# Altium PCB openservo_tessellated.PcbDoc (part 10 of 13)
Units mm, origin at the board's own origin, x right, y up, seen from the top; angles counter-clockwise.
Board outline 225 x 202.5 mm, 2 copper layers (Top Layer, Bottom Layer); 1250 components, 19 nets, 5300 pads, 1100 vias.
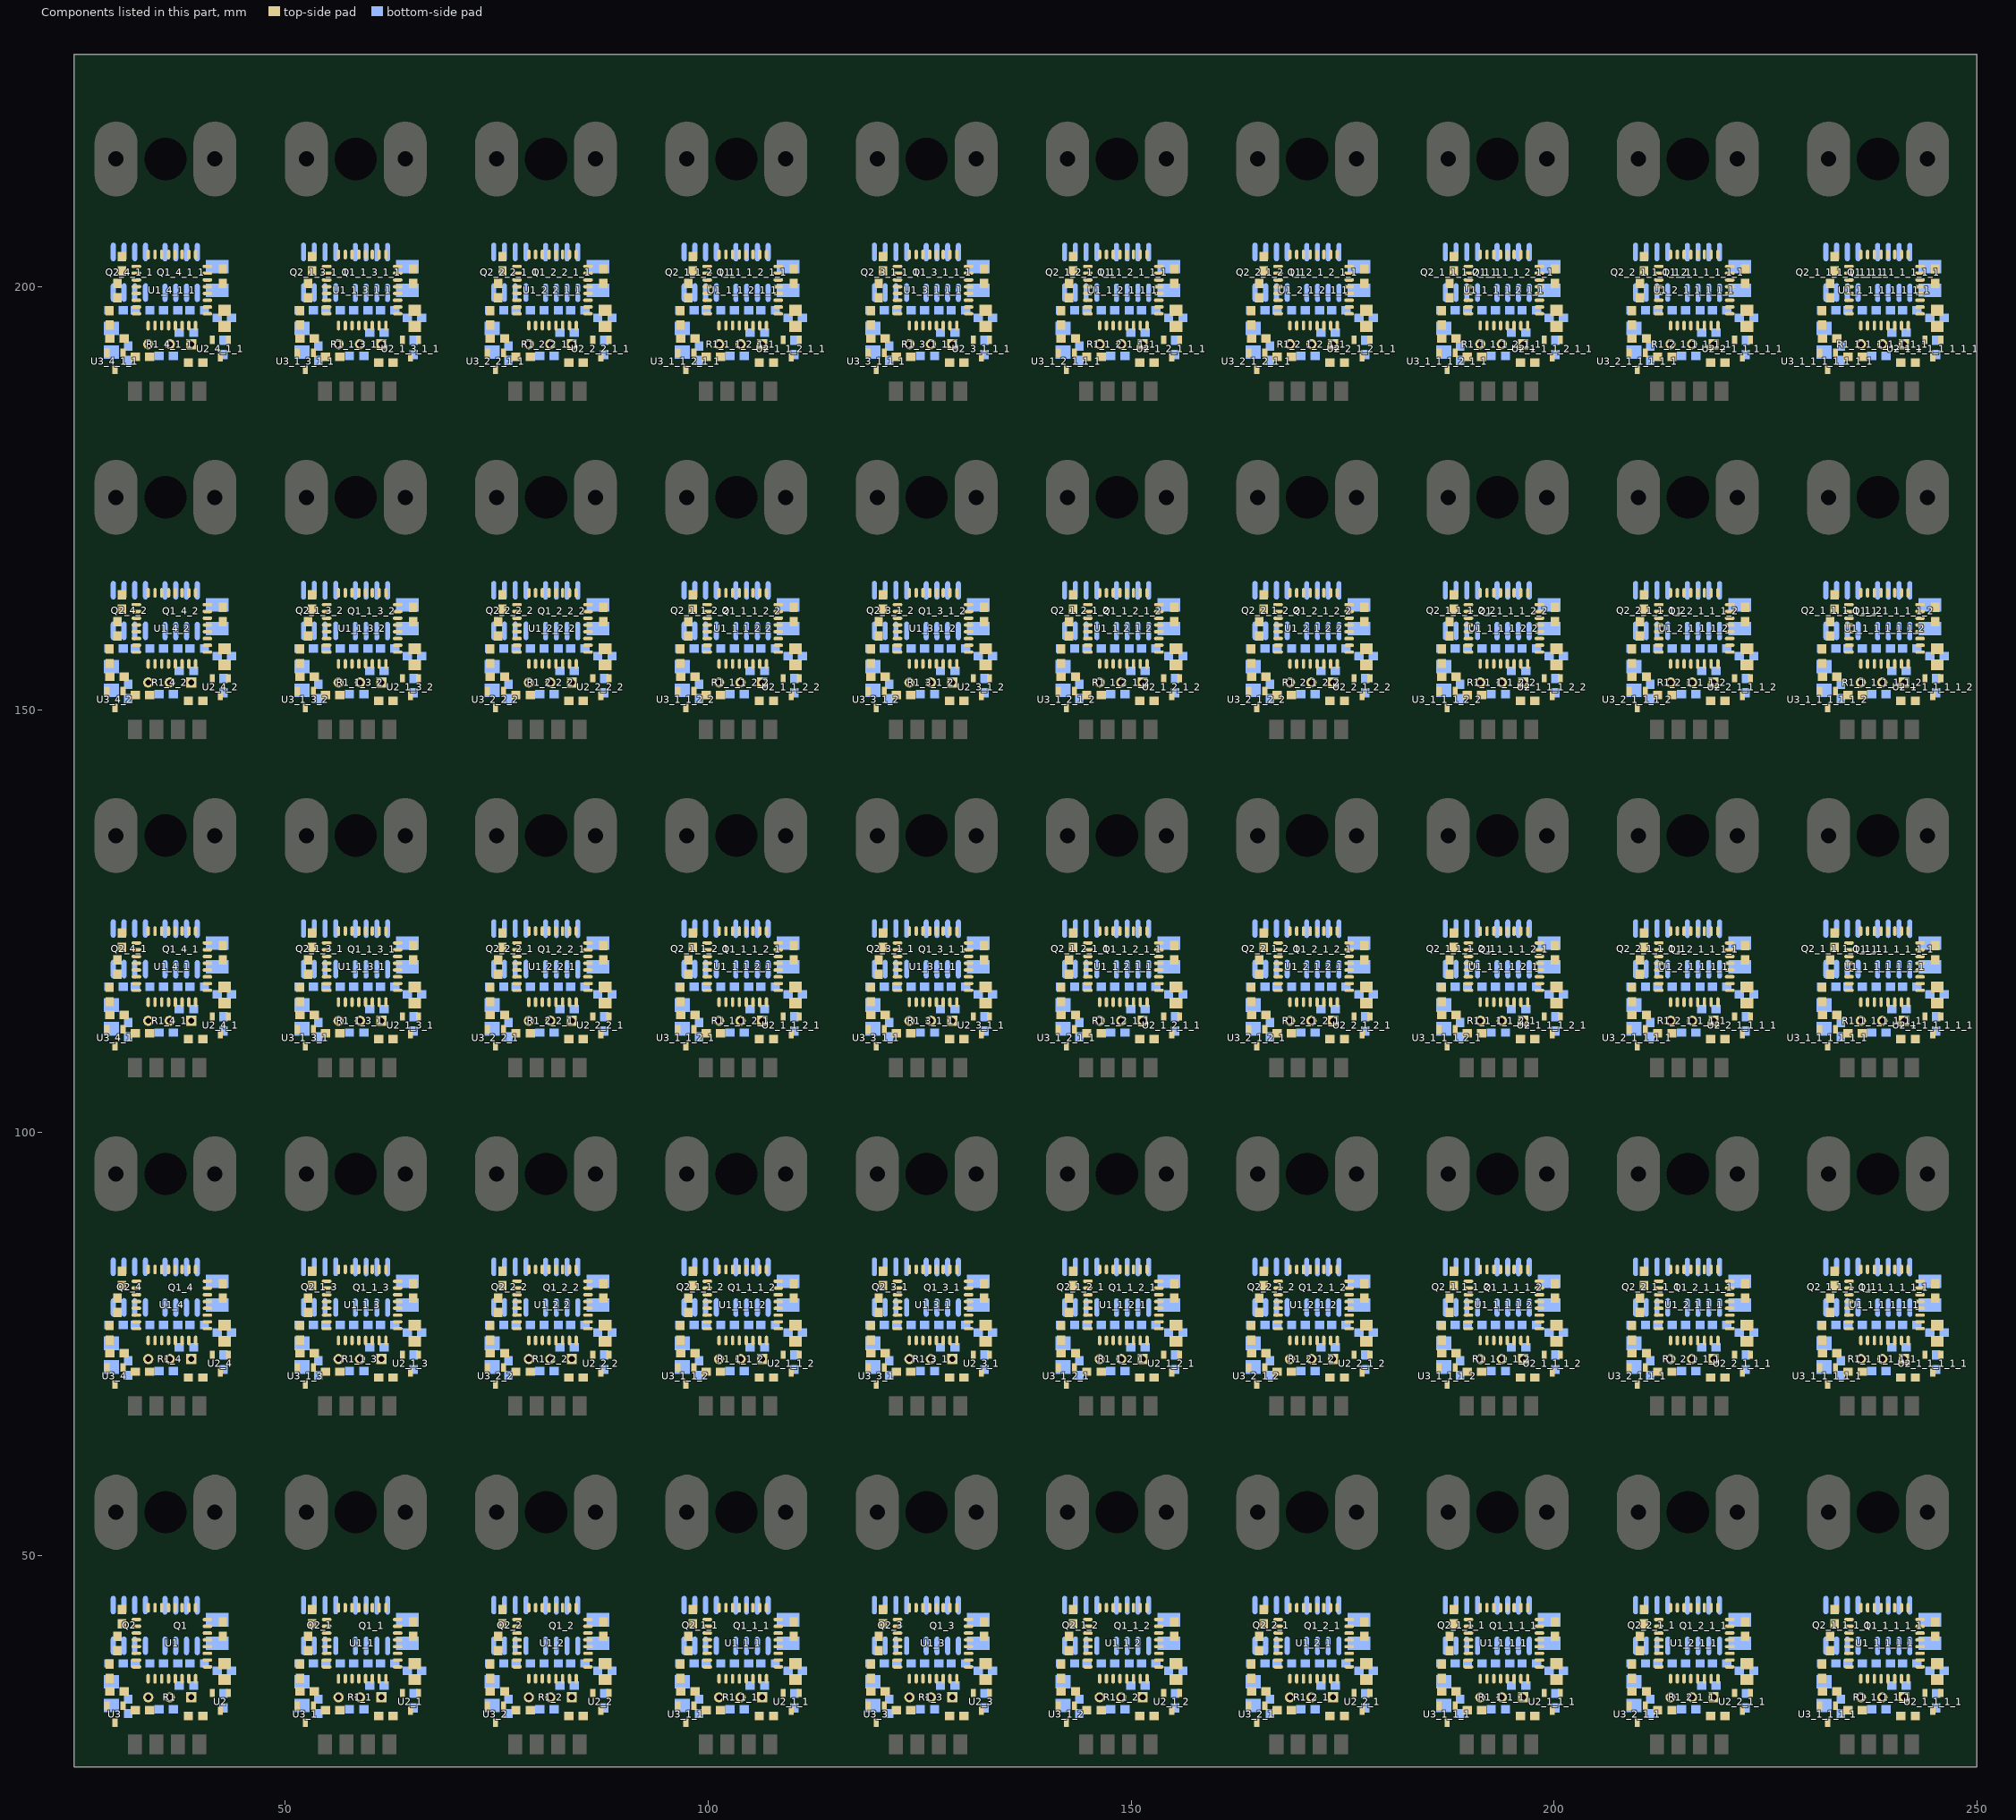
[diagram p10: the components of this part, seen from the top]

## Via types
v1: diameter 0.762, hole 0.35, Top Layer to Bottom Layer, 1000 vias
v2: diameter 1.27, hole 0.7, Top Layer to Bottom Layer, 100 vias

## Nets (pads, with @x,y where several pads share a name; then routed paths per layer and width w, separated by ;. In a path a pad name is that pad's centre, name@x,y a point inside that pad or via, vN(x,y) a via of type N, cw(c..) or ccw(c..) an arc to the next point about the centre after c; other vN are vias at no path point) (continued)
copper on no net: (continued)
  Bottom Layer w0.254: v1(27.813,83.764) 27.635,83.586 27.635,69.972 28.956,68.651 31.547,68.651 32.182,68.016 32.182,67.661 ; v1(27.813,123.764) 27.635,123.586 27.635,109.972 28.956,108.651 31.547,108.651 32.182,108.016 32.182,107.661 ; v1(27.813,163.764) 27.635,163.586 27.635,149.972 28.956,148.651 31.547,148.651 32.182,148.016 32.182,147.661 ; v1(27.813,203.764) 27.635,203.586 27.635,189.972 28.956,188.651 31.547,188.651 32.182,188.016 32.182,187.661 ; v1(28.854,81.935) 28.158,81.239 28.158,74.123 28.381,73.899 30.496,73.899 30.534,73.937 30.864,73.937 32.393,75.466 36.65,75.466 36.781,75.598 v1@40.526,75.598 ; v1(28.854,121.935) 28.158,121.239 28.158,114.123 28.381,113.899 30.496,113.899 30.534,113.937 30.864,113.937 32.393,115.466 36.65,115.466 36.781,115.598 v1@40.526,115.598 ; v1(28.854,161.935) 28.158,161.239 28.158,154.123 28.381,153.899 30.496,153.899 30.534,153.937 30.864,153.937 32.393,155.466 36.65,155.466 36.781,155.598 v1@40.526,155.598 ; v1(28.854,201.935) 28.158,201.239 28.158,194.123 28.381,193.899 30.496,193.899 30.534,193.937 30.864,193.937 32.393,195.466 36.65,195.466 36.781,195.598 v1@40.526,195.598 ; 29.122,77.236 29.642,77.756 ; 29.122,117.236 29.642,117.756 ; 29.122,157.236 29.642,157.756 ; 29.122,197.236 29.642,197.756 ; 29.439,71.445 29.439,72.28 30.159,71.56 ; 29.439,75.08 29.969,75.611 ; 29.439,111.445 29.439,112.28 30.159,111.56 ; 29.439,115.08 29.969,115.611 ; 29.439,151.445 29.439,152.28 30.159,151.56 ; 29.439,155.08 29.969,155.611 ; 29.439,191.445 29.439,192.28 30.159,191.56 ; 29.439,195.08 29.969,195.611 ; 29.642,79.332 29.642,79.825 31.367,81.551 34.448,81.551 34.955,82.058 34.972,82.058 35.763,82.849 35.763,84.107 ; 29.642,119.332 29.642,119.825 31.367,121.551 34.448,121.551 34.955,122.058 34.972,122.058 35.763,122.849 35.763,124.107 ; 29.642,159.332 29.642,159.825 31.367,161.551 34.448,161.551 34.955,162.058 34.972,162.058 35.763,162.849 35.763,164.107 ; 29.642,199.332 29.642,199.825 31.367,201.551 34.448,201.551 34.955,202.058 34.972,202.058 35.763,202.849 35.763,204.107 ; 30.822,75.98 v1(31.191,75.611) 31.496,75.916 ; 30.822,77.236 30.912,77.326 ; 30.822,115.98 v1(31.191,115.611) 31.496,115.916 ; 30.822,117.236 30.912,117.326 ; 30.822,155.98 v1(31.191,155.611) 31.496,155.916 ; 30.822,157.236 30.912,157.326 ; 30.822,195.98 v1(31.191,195.611) 31.496,195.916 ; 30.822,197.236 30.912,197.326 ; v1(30.963,69.667) 31.267,69.362 33.528,69.362 34.722,68.169 34.722,67.661 ; v1(30.963,109.667) 31.267,109.362 33.528,109.362 34.722,108.169 34.722,107.661 ; v1(30.963,149.667) 31.267,149.362 33.528,149.362 34.722,148.169 34.722,147.661 ; v1(30.963,189.667) 31.267,189.362 33.528,189.362 34.722,188.169 34.722,187.661 ; 32.182,77.326 32.272,77.236 ; 32.182,79.332 32.182,80.411 32.813,81.043 34.658,81.043 35.165,81.55 35.841,81.55 36.201,81.91 v1(36.347,81.91) ; 32.182,117.326 32.272,117.236 ; 32.182,119.332 32.182,120.411 32.813,121.043 34.658,121.043 35.165,121.55 35.841,121.55 36.201,121.91 v1(36.347,121.91) ; 32.182,157.326 32.272,157.236 ; 32.182,159.332 32.182,160.411 32.813,161.043 34.658,161.043 35.165,161.55 35.841,161.55 36.201,161.91 v1(36.347,161.91) ; 32.182,197.326 32.272,197.236 ; 32.182,199.332 32.182,200.411 32.813,201.043 34.658,201.043 35.165,201.55 35.841,201.55 36.201,201.91 v1(36.347,201.91) ; v1(32.512,70.201) 33.426,70.201 34.15,69.477 v1@36.487,69.477 ; v1(32.512,110.201) 33.426,110.201 34.15,109.477 v1@36.487,109.477 ; v1(32.512,150.201) 33.426,150.201 34.15,149.477 v1@36.487,149.477 ; v1(32.512,190.201) 33.426,190.201 34.15,189.477 v1@36.487,189.477 ; v1(32.639,74.163) 32.639,74.112 31.884,73.358 31.884,73.26 32.886,72.259 33.359,72.259 33.792,71.826 35.066,71.826 ; v1(32.639,114.163) 32.639,114.112 31.884,113.358 31.884,113.26 32.886,112.259 33.359,112.259 33.792,111.826 35.066,111.826 ; v1(32.639,154.163) 32.639,154.112 31.884,153.358 31.884,153.26 32.886,152.259 33.359,152.259 33.792,151.826 35.066,151.826 ; v1(32.639,194.163) 32.639,194.112 31.884,193.358 31.884,193.26 32.886,192.259 33.359,192.259 33.792,191.826 35.066,191.826 ; 33.452,77.756 33.972,77.236 ; 33.452,79.332 33.452,79.526 33.523,79.598 ; 33.452,84.132 34.138,83.446 34.138,82.408 v1(34.106,82.376) ; 33.452,117.756 33.972,117.236 ; 33.452,119.332 33.452,119.526 33.523,119.598 ; 33.452,124.132 34.138,123.446 34.138,122.408 v1(34.106,122.376) ; 33.452,157.756 33.972,157.236 ; 33.452,159.332 33.452,159.526 33.523,159.598 ; 33.452,164.132 34.138,163.446 34.138,162.408 v1(34.106,162.376) ; 33.452,197.756 33.972,197.236 ; 33.452,199.332 33.452,199.526 33.523,199.598 ; 33.452,204.132 34.138,203.446 34.138,202.408 v1(34.106,202.376) ; 33.757,73.35 33.757,74.467 34.248,74.958 36.86,74.958 36.992,75.09 37.085,75.09 37.352,74.823 37.352,72.412 36.766,71.826 ; 33.757,113.35 33.757,114.467 34.248,114.958 36.86,114.958 36.992,115.09 37.085,115.09 37.352,114.823 37.352,112.412 36.766,111.826 ; 33.757,153.35 33.757,154.467 34.248,154.958 36.86,154.958 36.992,155.09 37.085,155.09 37.352,154.823 37.352,152.412 36.766,151.826 ; 33.757,193.35 33.757,194.467 34.248,194.958 36.86,194.958 36.992,195.09 37.085,195.09 37.352,194.823 37.352,192.412 36.766,191.826 ; v1(34.773,74.163) 34.78,74.163 34.81,74.133 34.81,74.176 35.636,73.35 36.297,73.35 ; v1(34.773,114.163) 34.78,114.163 34.81,114.133 34.81,114.176 35.636,113.35 36.297,113.35 ; v1(34.773,154.163) 34.78,154.163 34.81,154.133 34.81,154.176 35.636,153.35 36.297,153.35 ; v1(34.773,194.163) 34.78,194.163 34.81,194.133 34.81,194.176 35.636,193.35 36.297,193.35 ; v1(34.798,78.811) 34.671,78.811 34.671,78.9 34.633,78.862 35.763,78.862 ; v1(34.798,118.811) 34.671,118.811 34.671,118.9 34.633,118.862 35.763,118.862 ; v1(34.798,158.811) 34.671,158.811 34.671,158.9 34.633,158.862 35.763,158.862 ; v1(34.798,198.811) 34.671,198.811 34.671,198.9 34.633,198.862 35.763,198.862 ; 35.574,77.236 35.763,77.426 ; 35.574,117.236 35.763,117.426 ; 35.574,157.236 35.763,157.426 ; 35.574,197.236 35.763,197.426 ; v1(35.611,70.378) 35.56,70.378 35.535,70.404 35.535,70.455 v1@35.725,70.645 ; v1(35.611,110.378) 35.56,110.378 35.535,110.404 35.535,110.455 v1@35.725,110.645 ; v1(35.611,150.378) 35.56,150.378 35.535,150.404 35.535,150.455 v1@35.725,150.645 ; v1(35.611,190.378) 35.56,190.378 35.535,190.404 35.535,190.455 v1@35.725,190.645 ; 37.033,77.477 37.274,77.236 ; 37.033,117.477 37.274,117.236 ; 37.033,157.477 37.274,157.236 ; 37.033,197.477 37.274,197.236 ; 37.262,67.661 37.294,67.661 38.882,69.248 42.177,69.248 v1(43.053,70.124) ; 37.262,107.661 37.294,107.661 38.882,109.248 42.177,109.248 v1(43.053,110.124) ; 37.262,147.661 37.294,147.661 38.882,149.248 42.177,149.248 v1(43.053,150.124) ; 37.262,187.661 37.294,187.661 38.882,189.248 42.177,189.248 v1(43.053,190.124) ; 38.303,79.307 v1@38.303,81.123 ; 38.303,119.307 v1@38.303,121.123 ; 38.303,159.307 v1@38.303,161.123 ; 38.303,199.307 v1@38.303,201.123 ; 38.506,77.453 38.723,77.236 ; 38.506,117.453 38.723,117.236 ; 38.506,157.453 38.723,157.236 ; 38.506,197.453 38.723,197.236 ; 38.837,73.35 38.837,74.608 39.052,74.823 ; 38.837,113.35 38.837,114.608 39.052,114.823 ; 38.837,153.35 38.837,154.608 39.052,154.823 ; 38.837,193.35 38.837,194.608 39.052,194.823 ; 39.153,74.595 39.153,75.584 ; 39.153,114.595 39.153,115.584 ; 39.153,154.595 39.153,155.584 ; 39.153,194.595 39.153,195.584 ; 39.573,79.307 39.654,79.226 ; 39.573,82.37 39.599,82.396 ; 39.573,119.307 39.654,119.226 ; 39.573,122.37 39.599,122.396 ; 39.573,159.307 39.654,159.226 ; 39.573,162.37 39.599,162.396 ; 39.573,199.307 39.654,199.226 ; 39.573,202.37 39.599,202.396 ; 41.668,76.092 41.924,76.347 ; 41.668,116.092 41.924,116.347 ; 41.668,156.092 41.924,156.347 ; 41.668,196.092 41.924,196.347 ; 43.837,82.396 43.917,82.316 ; 43.837,122.396 43.917,122.316 ; 43.837,162.396 43.917,162.316 ; 43.837,202.396 43.917,202.316 ; v1(50.313,43.764) 50.135,43.586 50.135,29.972 51.456,28.651 54.047,28.651 54.682,28.016 54.682,27.661 ; v1(50.313,83.764) 50.135,83.586 50.135,69.972 51.456,68.651 54.047,68.651 54.682,68.016 54.682,67.661 ; v1(50.313,123.764) 50.135,123.586 50.135,109.972 51.456,108.651 54.047,108.651 54.682,108.016 54.682,107.661 ; v1(50.313,163.764) 50.135,163.586 50.135,149.972 51.456,148.651 54.047,148.651 54.682,148.016 54.682,147.661 ; v1(50.313,203.764) 50.135,203.586 50.135,189.972 51.456,188.651 54.047,188.651 54.682,188.016 54.682,187.661 ; v1(51.354,41.935) 50.658,41.239 50.658,34.123 50.881,33.899 52.996,33.899 53.034,33.937 53.364,33.937 54.893,35.466 59.15,35.466 59.281,35.598 v1@63.026,35.598 ; v1(51.354,81.935) 50.658,81.239 50.658,74.123 50.881,73.899 52.996,73.899 53.034,73.937 53.364,73.937 54.893,75.466 59.15,75.466 59.281,75.598 v1@63.026,75.598 ; v1(51.354,121.935) 50.658,121.239 50.658,114.123 50.881,113.899 52.996,113.899 53.034,113.937 53.364,113.937 54.893,115.466 59.15,115.466 59.281,115.598 v1@63.026,115.598 ; v1(51.354,161.935) 50.658,161.239 50.658,154.123 50.881,153.899 52.996,153.899 53.034,153.937 53.364,153.937 54.893,155.466 59.15,155.466 59.281,155.598 v1@63.026,155.598 ; v1(51.354,201.935) 50.658,201.239 50.658,194.123 50.881,193.899 52.996,193.899 53.034,193.937 53.364,193.937 54.893,195.466 59.15,195.466 59.281,195.598 v1@63.026,195.598 ; 51.622,37.236 52.142,37.756 ; 51.622,77.236 52.142,77.756 ; 51.622,117.236 52.142,117.756 ; 51.622,157.236 52.142,157.756 ; 51.622,197.236 52.142,197.756 ; 51.939,31.445 51.939,32.28 52.659,31.56 ; 51.939,35.08 52.469,35.611 ; 51.939,71.445 51.939,72.28 52.659,71.56 ; 51.939,75.08 52.469,75.611 ; 51.939,111.445 51.939,112.28 52.659,111.56 ; 51.939,115.08 52.469,115.611 ; 51.939,151.445 51.939,152.28 52.659,151.56 ; 51.939,155.08 52.469,155.611 ; 51.939,191.445 51.939,192.28 52.659,191.56 ; 51.939,195.08 52.469,195.611 ; 52.142,39.332 52.142,39.825 53.867,41.551 56.948,41.551 57.455,42.058 57.472,42.058 58.263,42.849 58.263,44.107 ; 52.142,79.332 52.142,79.825 53.867,81.551 56.948,81.551 57.455,82.058 57.472,82.058 58.263,82.849 58.263,84.107 ; 52.142,119.332 52.142,119.825 53.867,121.551 56.948,121.551 57.455,122.058 57.472,122.058 58.263,122.849 58.263,124.107 ; 52.142,159.332 52.142,159.825 53.867,161.551 56.948,161.551 57.455,162.058 57.472,162.058 58.263,162.849 58.263,164.107 ; 52.142,199.332 52.142,199.825 53.867,201.551 56.948,201.551 57.455,202.058 57.472,202.058 58.263,202.849 58.263,204.107 ; 53.322,35.98 v1(53.691,35.611) 53.996,35.916 ; 53.322,37.236 53.412,37.326 ; 53.322,75.98 v1(53.691,75.611) 53.996,75.916 ; 53.322,77.236 53.412,77.326 ; 53.322,115.98 v1(53.691,115.611) 53.996,115.916 ; 53.322,117.236 53.412,117.326 ; 53.322,155.98 v1(53.691,155.611) 53.996,155.916 ; 53.322,157.236 53.412,157.326 ; 53.322,195.98 v1(53.691,195.611) 53.996,195.916 ; 53.322,197.236 53.412,197.326 ; v1(53.463,29.667) 53.767,29.362 56.028,29.362 57.222,28.169 57.222,27.661 ; v1(53.463,69.667) 53.767,69.362 56.028,69.362 57.222,68.169 57.222,67.661 ; v1(53.463,109.667) 53.767,109.362 56.028,109.362 57.222,108.169 57.222,107.661 ; v1(53.463,149.667) 53.767,149.362 56.028,149.362 57.222,148.169 57.222,147.661 ; v1(53.463,189.667) 53.767,189.362 56.028,189.362 57.222,188.169 57.222,187.661 ; 54.682,37.326 54.772,37.236 ; 54.682,39.332 54.682,40.411 55.313,41.043 57.158,41.043 57.665,41.55 58.341,41.55 58.701,41.91 v1(58.847,41.91) ; 54.682,77.326 54.772,77.236 ; 54.682,79.332 54.682,80.411 55.313,81.043 57.158,81.043 57.665,81.55 58.341,81.55 58.701,81.91 v1(58.847,81.91) ; 54.682,117.326 54.772,117.236 ; 54.682,119.332 54.682,120.411 55.313,121.043 57.158,121.043 57.665,121.55 58.341,121.55 58.701,121.91 v1(58.847,121.91) ; 54.682,157.326 54.772,157.236 ; 54.682,159.332 54.682,160.411 55.313,161.043 57.158,161.043 57.665,161.55 58.341,161.55 58.701,161.91 v1(58.847,161.91) ; 54.682,197.326 54.772,197.236 ; 54.682,199.332 54.682,200.411 55.313,201.043 57.158,201.043 57.665,201.55 58.341,201.55 58.701,201.91 v1(58.847,201.91) ; v1(55.012,30.201) 55.926,30.201 56.65,29.477 v1@58.987,29.477 ; v1(55.012,70.201) 55.926,70.201 56.65,69.477 v1@58.987,69.477 ; v1(55.012,110.201) 55.926,110.201 56.65,109.477 v1@58.987,109.477 ; v1(55.012,150.201) 55.926,150.201 56.65,149.477 v1@58.987,149.477 ; v1(55.012,190.201) 55.926,190.201 56.65,189.477 v1@58.987,189.477 ; v1(55.139,34.163) 55.139,34.112 54.384,33.358 54.384,33.26 55.386,32.259 55.859,32.259 56.292,31.826 57.566,31.826 ; v1(55.139,74.163) 55.139,74.112 54.384,73.358 54.384,73.26 55.386,72.259 55.859,72.259 56.292,71.826 57.566,71.826 ; v1(55.139,114.163) 55.139,114.112 54.384,113.358 54.384,113.26 55.386,112.259 55.859,112.259 56.292,111.826 57.566,111.826 ; v1(55.139,154.163) 55.139,154.112 54.384,153.358 54.384,153.26 55.386,152.259 55.859,152.259 56.292,151.826 57.566,151.826 ; v1(55.139,194.163) 55.139,194.112 54.384,193.358 54.384,193.26 55.386,192.259 55.859,192.259 56.292,191.826 57.566,191.826 ; 55.952,37.756 56.472,37.236 ; 55.952,39.332 55.952,39.526 56.023,39.598 ; 55.952,44.132 56.638,43.446 56.638,42.408 v1(56.606,42.376) ; 55.952,77.756 56.472,77.236 ; 55.952,79.332 55.952,79.526 56.023,79.598 ; 55.952,84.132 56.638,83.446 56.638,82.408 v1(56.606,82.376) ; 55.952,117.756 56.472,117.236 ; 55.952,119.332 55.952,119.526 56.023,119.598 ; 55.952,124.132 56.638,123.446 56.638,122.408 v1(56.606,122.376) ; 55.952,157.756 56.472,157.236 ; 55.952,159.332 55.952,159.526 56.023,159.598 ; 55.952,164.132 56.638,163.446 56.638,162.408 v1(56.606,162.376) ; 55.952,197.756 56.472,197.236 ; 55.952,199.332 55.952,199.526 56.023,199.598 ; 55.952,204.132 56.638,203.446 56.638,202.408 v1(56.606,202.376) ; 56.257,33.35 56.257,34.467 56.748,34.958 59.36,34.958 59.492,35.09 59.585,35.09 59.852,34.823 59.852,32.412 59.266,31.826 ; 56.257,73.35 56.257,74.467 56.748,74.958 59.36,74.958 59.492,75.09 59.585,75.09 59.852,74.823 59.852,72.412 59.266,71.826 ; 56.257,113.35 56.257,114.467 56.748,114.958 59.36,114.958 59.492,115.09 59.585,115.09 59.852,114.823 59.852,112.412 59.266,111.826 ; 56.257,153.35 56.257,154.467 56.748,154.958 59.36,154.958 59.492,155.09 59.585,155.09 59.852,154.823 59.852,152.412 59.266,151.826 ; 56.257,193.35 56.257,194.467 56.748,194.958 59.36,194.958 59.492,195.09 59.585,195.09 59.852,194.823 59.852,192.412 59.266,191.826 ; v1(57.273,34.163) 57.28,34.163 57.31,34.133 57.31,34.176 58.136,33.35 58.797,33.35 ; v1(57.273,74.163) 57.28,74.163 57.31,74.133 57.31,74.176 58.136,73.35 58.797,73.35 ; v1(57.273,114.163) 57.28,114.163 57.31,114.133 57.31,114.176 58.136,113.35 58.797,113.35 ; v1(57.273,154.163) 57.28,154.163 57.31,154.133 57.31,154.176 58.136,153.35 58.797,153.35 ; v1(57.273,194.163) 57.28,194.163 57.31,194.133 57.31,194.176 58.136,193.35 58.797,193.35 ; v1(57.298,38.811) 57.171,38.811 57.171,38.9 57.133,38.862 58.263,38.862 ; v1(57.298,78.811) 57.171,78.811 57.171,78.9 57.133,78.862 58.263,78.862 ; v1(57.298,118.811) 57.171,118.811 57.171,118.9 57.133,118.862 58.263,118.862 ; v1(57.298,158.811) 57.171,158.811 57.171,158.9 57.133,158.862 58.263,158.862 ; v1(57.298,198.811) 57.171,198.811 57.171,198.9 57.133,198.862 58.263,198.862 ; 58.074,37.236 58.263,37.426 ; 58.074,77.236 58.263,77.426 ; 58.074,117.236 58.263,117.426 ; 58.074,157.236 58.263,157.426 ; 58.074,197.236 58.263,197.426 ; v1(58.111,30.378) 58.06,30.378 58.035,30.404 58.035,30.455 v1@58.225,30.645 ; v1(58.111,70.378) 58.06,70.378 58.035,70.404 58.035,70.455 v1@58.225,70.645 ; v1(58.111,110.378) 58.06,110.378 58.035,110.404 58.035,110.455 v1@58.225,110.645 ; v1(58.111,150.378) 58.06,150.378 58.035,150.404 58.035,150.455 v1@58.225,150.645 ; v1(58.111,190.378) 58.06,190.378 58.035,190.404 58.035,190.455 v1@58.225,190.645 ; 59.533,37.477 59.774,37.236 ; 59.533,77.477 59.774,77.236 ; 59.533,117.477 59.774,117.236 ; 59.533,157.477 59.774,157.236 ; 59.533,197.477 59.774,197.236 ; 59.762,27.661 59.794,27.661 61.382,29.248 64.677,29.248 v1(65.553,30.124) ; 59.762,67.661 59.794,67.661 61.382,69.248 64.677,69.248 v1(65.553,70.124) ; 59.762,107.661 59.794,107.661 61.382,109.248 64.677,109.248 v1(65.553,110.124) ; 59.762,147.661 59.794,147.661 61.382,149.248 64.677,149.248 v1(65.553,150.124) ; 59.762,187.661 59.794,187.661 61.382,189.248 64.677,189.248 v1(65.553,190.124) ; 60.803,39.307 v1@60.803,41.123 ; 60.803,79.307 v1@60.803,81.123 ; 60.803,119.307 v1@60.803,121.123 ; 60.803,159.307 v1@60.803,161.123 ; 60.803,199.307 v1@60.803,201.123 ; 61.006,37.453 61.223,37.236 ; 61.006,77.453 61.223,77.236 ; 61.006,117.453 61.223,117.236 ; 61.006,157.453 61.223,157.236 ; 61.006,197.453 61.223,197.236 ; 61.337,33.35 61.337,34.608 61.552,34.823 ; 61.337,73.35 61.337,74.608 61.552,74.823 ; 61.337,113.35 61.337,114.608 61.552,114.823 ; 61.337,153.35 61.337,154.608 61.552,154.823 ; 61.337,193.35 61.337,194.608 61.552,194.823 ; 61.653,34.595 61.653,35.584 ; 61.653,74.595 61.653,75.584 ; 61.653,114.595 61.653,115.584 ; 61.653,154.595 61.653,155.584 ; 61.653,194.595 61.653,195.584 ; 62.073,39.307 62.154,39.226 ; 62.073,42.37 62.099,42.396 ; 62.073,79.307 62.154,79.226 ; 62.073,82.37 62.099,82.396 ; 62.073,119.307 62.154,119.226 ; 62.073,122.37 62.099,122.396 ; 62.073,159.307 62.154,159.226 ; 62.073,162.37 62.099,162.396 ; 62.073,199.307 62.154,199.226 ; 62.073,202.37 62.099,202.396 ; 64.168,36.092 64.424,36.347 ; 64.168,76.092 64.424,76.347 ; 64.168,116.092 64.424,116.347 ; 64.168,156.092 64.424,156.347 ; 64.168,196.092 64.424,196.347 ; 66.337,42.396 66.417,42.316 ; 66.337,82.396 66.417,82.316 ; 66.337,122.396 66.417,122.316 ; 66.337,162.396 66.417,162.316 ; 66.337,202.396 66.417,202.316 ; v1(72.813,43.764) 72.635,43.586 72.635,29.972 73.956,28.651 76.547,28.651 77.182,28.016 77.182,27.661 ; v1(72.813,83.764) 72.635,83.586 72.635,69.972 73.956,68.651 76.547,68.651 77.182,68.016 77.182,67.661 ; v1(72.813,123.764) 72.635,123.586 72.635,109.972 73.956,108.651 76.547,108.651 77.182,108.016 77.182,107.661 ; v1(72.813,163.764) 72.635,163.586 72.635,149.972 73.956,148.651 76.547,148.651 77.182,148.016 77.182,147.661 ; v1(72.813,203.764) 72.635,203.586 72.635,189.972 73.956,188.651 76.547,188.651 77.182,188.016 77.182,187.661 ; v1(73.854,41.935) 73.158,41.239 73.158,34.123 73.381,33.899 75.496,33.899 75.534,33.937 75.864,33.937 77.393,35.466 81.65,35.466 81.781,35.598 v1@85.526,35.598 ; v1(73.854,81.935) 73.158,81.239 73.158,74.123 73.381,73.899 75.496,73.899 75.534,73.937 75.864,73.937 77.393,75.466 81.65,75.466 81.781,75.598 v1@85.526,75.598 ; v1(73.854,121.935) 73.158,121.239 73.158,114.123 73.381,113.899 75.496,113.899 75.534,113.937 75.864,113.937 77.393,115.466 81.65,115.466 81.781,115.598 v1@85.526,115.598 ; v1(73.854,161.935) 73.158,161.239 73.158,154.123 73.381,153.899 75.496,153.899 75.534,153.937 75.864,153.937 77.393,155.466 81.65,155.466 81.781,155.598 v1@85.526,155.598 ; v1(73.854,201.935) 73.158,201.239 73.158,194.123 73.381,193.899 75.496,193.899 75.534,193.937 75.864,193.937 77.393,195.466 81.65,195.466 81.781,195.598 v1@85.526,195.598 ; 74.122,37.236 74.642,37.756 ; 74.122,77.236 74.642,77.756 ; 74.122,117.236 74.642,117.756 ; 74.122,157.236 74.642,157.756 ; 74.122,197.236 74.642,197.756 ; 74.439,31.445 74.439,32.28 75.159,31.56 ; 74.439,35.08 74.969,35.611 ; 74.439,71.445 74.439,72.28 75.159,71.56 ; 74.439,75.08 74.969,75.611 ; 74.439,111.445 74.439,112.28 75.159,111.56 ; 74.439,115.08 74.969,115.611 ; 74.439,151.445 74.439,152.28 75.159,151.56 ; 74.439,155.08 74.969,155.611 ; 74.439,191.445 74.439,192.28 75.159,191.56 ; 74.439,195.08 74.969,195.611 ; 74.642,39.332 74.642,39.825 76.367,41.551 79.448,41.551 79.955,42.058 79.972,42.058 80.763,42.849 80.763,44.107 ; 74.642,79.332 74.642,79.825 76.367,81.551 79.448,81.551 79.955,82.058 79.972,82.058 80.763,82.849 80.763,84.107 ; 74.642,119.332 74.642,119.825 76.367,121.551 79.448,121.551 79.955,122.058 79.972,122.058 80.763,122.849 80.763,124.107 ; 74.642,159.332 74.642,159.825 76.367,161.551 79.448,161.551 79.955,162.058 79.972,162.058 80.763,162.849 80.763,164.107 ; 74.642,199.332 74.642,199.825 76.367,201.551 79.448,201.551 79.955,202.058 79.972,202.058 80.763,202.849 80.763,204.107 ; 75.822,35.98 v1(76.191,35.611) 76.496,35.916 ; 75.822,37.236 75.912,37.326 ; 75.822,75.98 v1(76.191,75.611) 